# EAGLE board working (EAGLE 9.5.2), part 2 of 4 (continued)
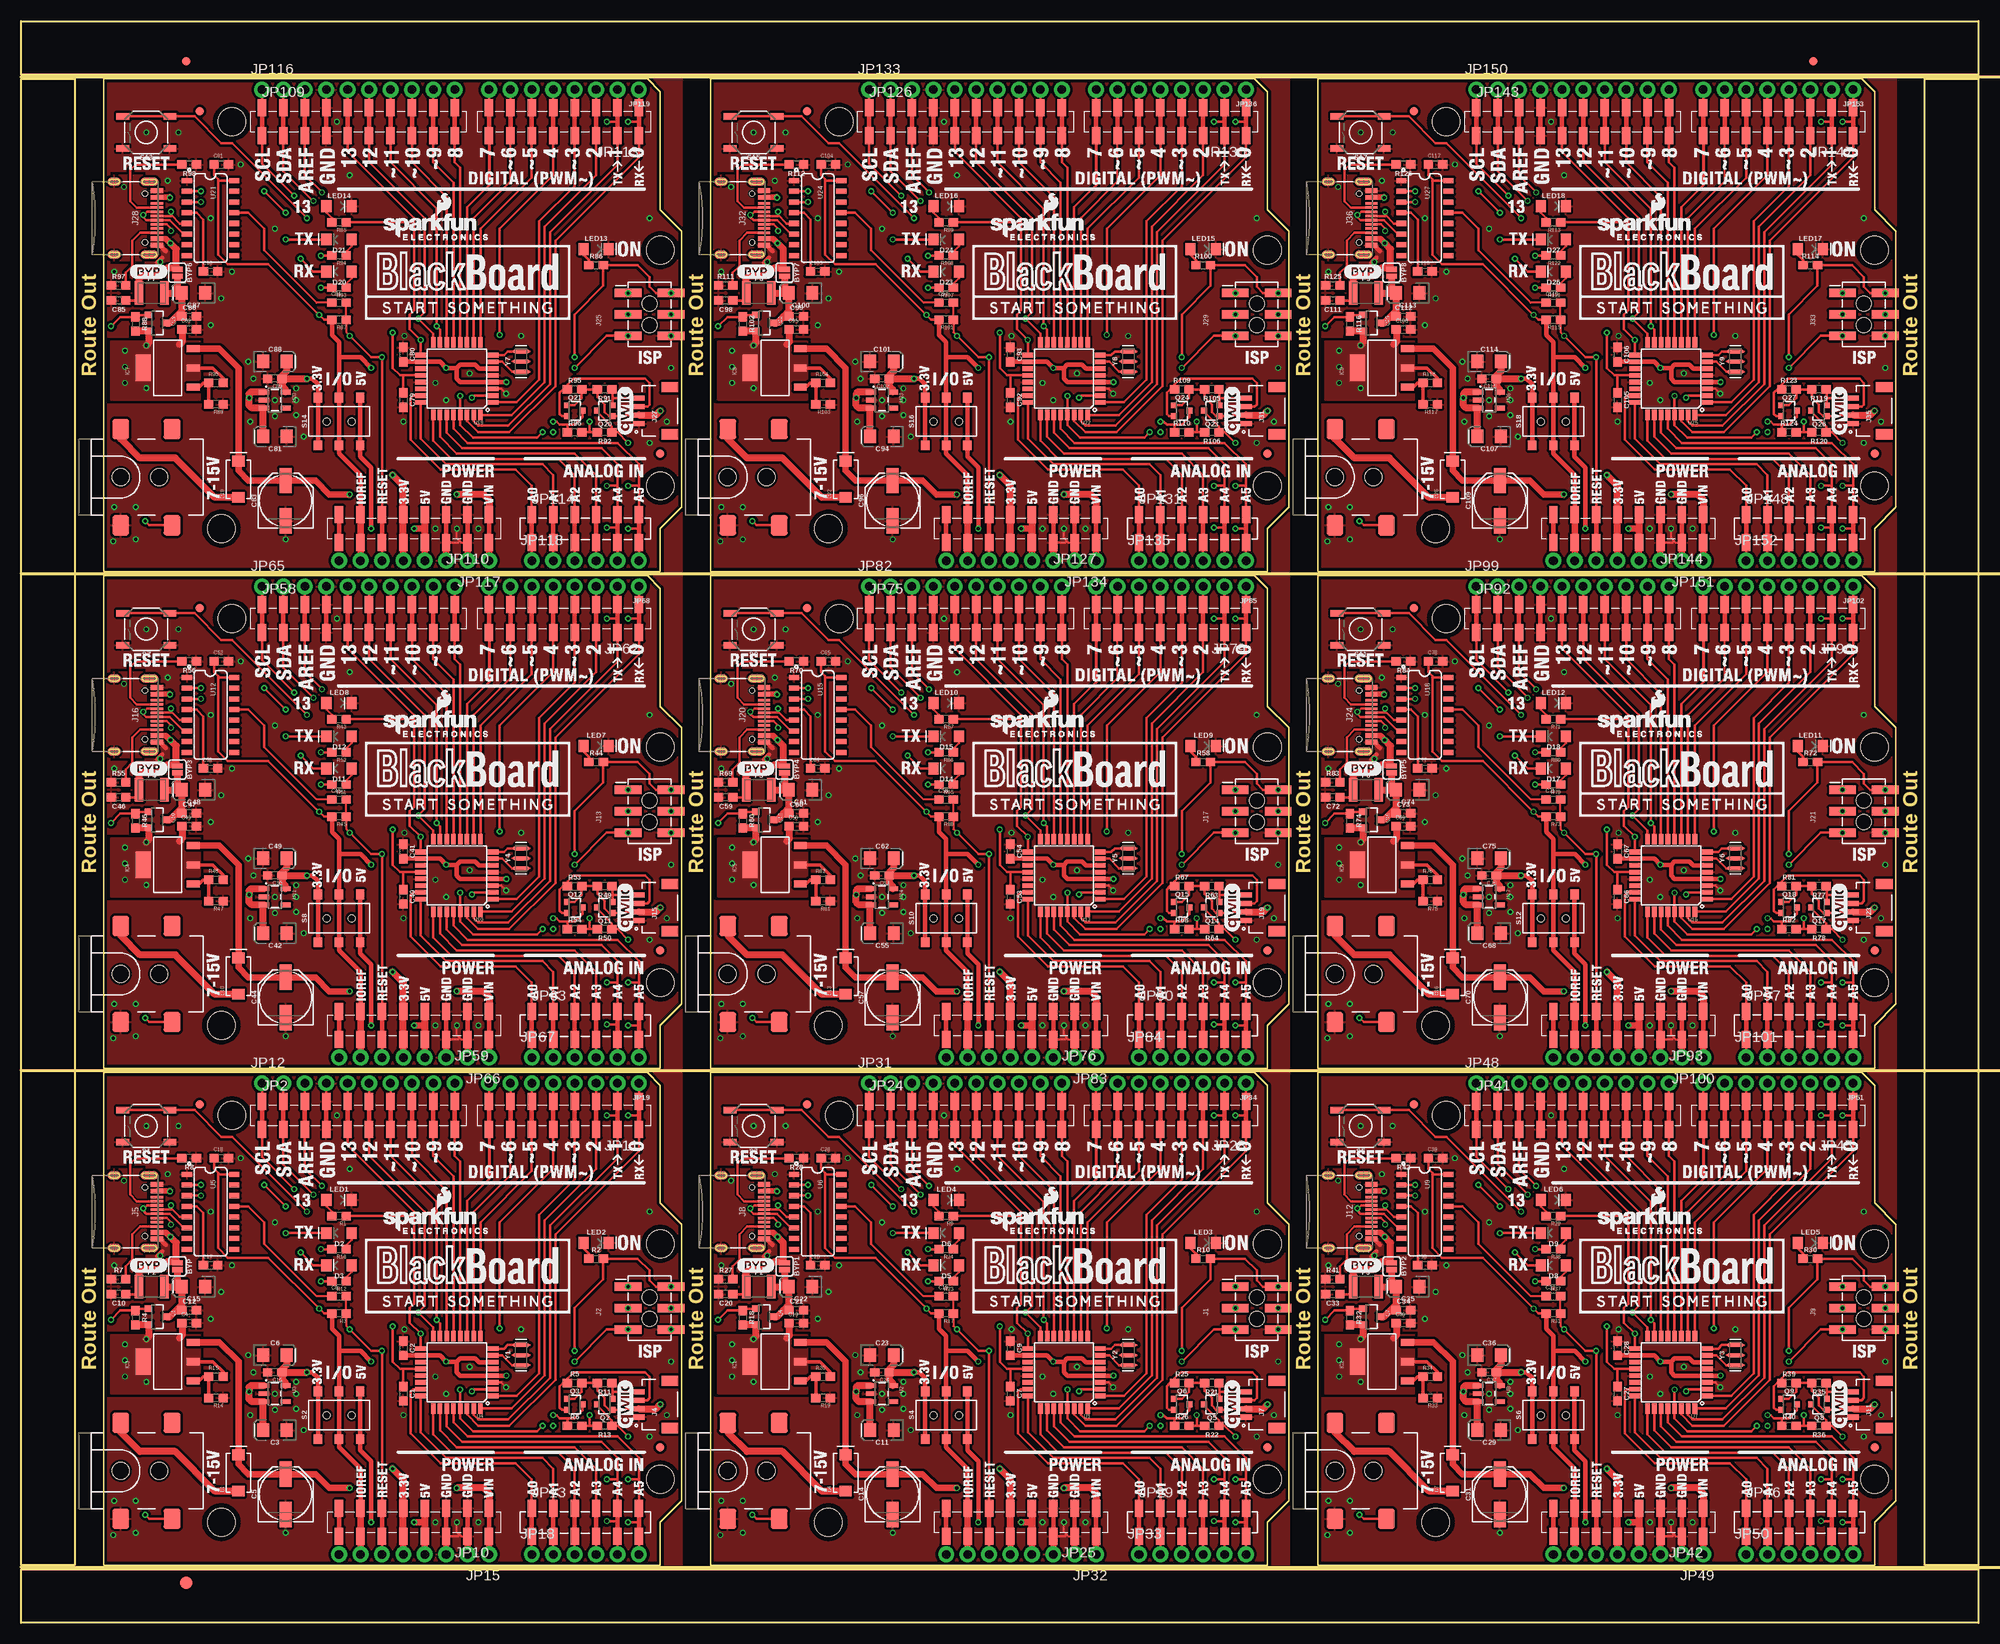
[diagram p0: board, top side]
## Tracks (layer width: path | path; a pad name or v marks a point on that pad's centre or on a via) (continued)
  Bottom 0.813: v33.91,147.57 33.91,142.49 40.26,136.14 v44.07,136.14 44.96,135.25 60.96,135.25 68.2,128.02 72.77,128.02 73.28,128.52 73.28,141.22 v75.82,143.76
3.3V7  (via drill 0.38)
  Top 0.254: JP127.5B JP127.5A
  Top 0.305: J31.2 143.77,143.26 143.62,143.11 Q23.1 141.75,143.11 141.22,143.64 141.22,144.53 140.37,145.38 R105.2 R109.2 138.52,145.25 137.68,144.41 Q24.1
  Top 0.508: 103.38,146.01 U23.5 | v105.92,147.57 106.55,147.57 107.23,146.9 S16.1 S16.4
  Top 0.762: JP127.5A JP134.5
  Top 0.813: JP127.5A 117.35,134.87 v116.08,136.14 | C101.+ 103.51,148.47 102.96,147.92 C102.1 | C102.1 v105.92,147.57 | C102.1 102.96,146.72 103.38,146.3 103.38,146.01 | J31.2 147.33,143.26 v147.83,143.76
  Bottom 0.813: v105.92,147.57 105.92,142.49 112.27,136.14 v116.08,136.14 116.97,135.25 132.97,135.25 140.21,128.02 144.78,128.02 145.29,128.52 145.29,141.22 v147.83,143.76
3.3V8  (via drill 0.38)
  Top 0.254: JP144.5B JP144.5A
  Top 0.305: J35.2 215.78,143.26 215.63,143.11 Q26.1 213.76,143.11 213.23,143.64 213.23,144.53 212.38,145.38 R119.2 R123.2 210.53,145.25 209.69,144.41 Q27.1
  Top 0.508: 175.39,146.01 U26.5 | v177.93,147.57 178.56,147.57 179.24,146.9 S18.1 S18.4
  Top 0.762: JP144.5A JP151.5
  Top 0.813: JP144.5A 189.36,134.87 v188.09,136.14 | C114.+ 175.52,148.47 174.97,147.92 C115.1 | C115.1 v177.93,147.57 | C115.1 174.97,146.72 175.39,146.3 175.39,146.01 | J35.2 219.34,143.26 v219.84,143.76
  Bottom 0.813: v177.93,147.57 177.93,142.49 184.28,136.14 v188.09,136.14 188.98,135.25 204.98,135.25 212.22,128.02 216.79,128.02 217.3,128.52 217.3,141.22 v219.84,143.76
5V  (via drill 0.38)
  Top 0.305: JP10.4A 47.88,11.43
  Top 0.406: IC3.2 22.73,30.99 23.96,29.76 R15.2
  Top 0.508: 28.7,26.13 U3.3 | v41.53,11.94 41.53,19.18 40.22,20.49 S2.6 S2.3
  Top 0.762: v46.61,11.94 47.62,11.94 47.88,12.19 | JP10.4B JP15.4
  Top 0.813: JP10.4A 47.88,12.19 47.88,11.43 JP10.4B | C3.+ 28.7,26.13 | v14.86,33.67 15.13,33.94 Q1.2 13.62,35.37 R4.2 | U3.3 27.37,26.23 27.05,26.54 v27.05,27.43 27.05,27.94 27.24,28.13 U3.1 | C4.1 19.09,34.07 18.8,33.78
  Bottom 0.762: v46.61,11.94 v41.53,11.94 40.64,11.94 28.45,24.13 28.45,26.04 v27.05,27.43
  Bottom 0.813: v27.05,27.43 21.46,27.43
  other vias: 12.32,31.13 14.86,28.59 12.32,29.22 12.32,33.03
  pour Bottom (isolate 0.305, no thermals): 10.67,39.37 20.57,39.37 20.57,29.72 22.48,27.81 22.48,27.18 10.67,27.18
  pour Top (isolate 0.305, no thermals): 10.67,27.18 10.67,34.16 21.21,34.16 21.21,27.18
5V1  (via drill 0.38)
  Top 0.305: JP25.4A 119.89,11.43
  Top 0.406: IC1.2 94.74,30.99 95.97,29.76 R20.2
  Top 0.508: 100.71,26.13 U2.3 | v113.54,11.94 113.54,19.18 112.23,20.49 S4.6 S4.3
  Top 0.762: v118.62,11.94 119.63,11.94 119.89,12.19 | JP25.4B JP32.4
  Top 0.813: JP25.4A 119.89,12.19 119.89,11.43 JP25.4B | C11.+ 100.71,26.13 | v86.87,33.67 87.14,33.94 Q4.2 85.62,35.37 R18.2 | U2.3 99.38,26.23 99.06,26.54 v99.06,27.43 99.06,27.94 99.25,28.13 U2.1 | C13.1 91.1,34.07 90.8,33.78
  Bottom 0.762: v118.62,11.94 v113.54,11.94 112.65,11.94 100.46,24.13 100.46,26.04 v99.06,27.43
  Bottom 0.813: v99.06,27.43 93.47,27.43
  other vias: 84.33,31.13 86.87,28.59 84.33,29.22 84.33,33.03
  pour Bottom (isolate 0.305, no thermals): 82.68,39.37 92.58,39.37 92.58,29.72 94.49,27.81 94.49,27.18 82.68,27.18
  pour Top (isolate 0.305, no thermals): 82.68,27.18 82.68,34.16 93.22,34.16 93.22,27.18
5V2  (via drill 0.38)
  Top 0.305: JP42.4A 191.9,11.43
  Top 0.406: IC2.2 166.75,30.99 167.98,29.76 R34.2
  Top 0.508: 172.72,26.13 U8.3 | v185.55,11.94 185.55,19.18 184.24,20.49 S6.6 S6.3
  Top 0.762: v190.63,11.94 191.64,11.94 191.9,12.19 | JP42.4B JP49.4
  Top 0.813: JP42.4A 191.9,12.19 191.9,11.43 JP42.4B | C29.+ 172.72,26.13 | v158.88,33.67 159.15,33.94 Q7.2 157.63,35.37 R32.2 | U8.3 171.38,26.23 171.07,26.54 v171.07,27.43 171.07,27.94 171.26,28.13 U8.1 | C30.1 163.11,34.07 162.81,33.78
  Bottom 0.762: v190.63,11.94 v185.55,11.94 184.66,11.94 172.47,24.13 172.47,26.04 v171.07,27.43
  Bottom 0.813: v171.07,27.43 165.48,27.43
  other vias: 156.34,31.13 158.88,28.59 156.34,29.22 156.34,33.03
  pour Bottom (isolate 0.305, no thermals): 154.69,39.37 164.59,39.37 164.59,29.72 166.5,27.81 166.5,27.18 154.69,27.18
  pour Top (isolate 0.305, no thermals): 154.69,27.18 154.69,34.16 165.23,34.16 165.23,27.18
5V3  (via drill 0.38)
  Top 0.305: JP59.4A 47.88,70.36
  Top 0.406: IC4.2 22.73,89.92 23.96,88.69 R48.2
  Top 0.508: 28.7,85.06 U11.3 | v41.53,70.87 41.53,78.11 40.22,79.42 S8.6 S8.3
  Top 0.762: v46.61,70.87 47.62,70.87 47.88,71.12 | JP59.4B JP66.4
  Top 0.813: JP59.4A 47.88,71.12 47.88,70.36 JP59.4B | C42.+ 28.7,85.06 | v14.86,92.59 15.13,92.87 Q10.2 13.62,94.3 R46.2 | U11.3 27.37,85.16 27.05,85.47 v27.05,86.36 27.05,86.87 27.24,87.06 U11.1 | C43.1 19.09,93 18.8,92.71
  Bottom 0.762: v46.61,70.87 v41.53,70.87 40.64,70.87 28.45,83.06 28.45,84.96 v27.05,86.36
  Bottom 0.813: v27.05,86.36 21.46,86.36
  other vias: 12.32,90.06 14.86,87.52 12.32,88.15 12.32,91.96
  pour Bottom (isolate 0.305, no thermals): 10.67,98.3 20.57,98.3 20.57,88.65 22.48,86.74 22.48,86.11 10.67,86.11
  pour Top (isolate 0.305, no thermals): 10.67,86.11 10.67,93.09 21.21,93.09 21.21,86.11
5V4  (via drill 0.38)
  Top 0.305: JP76.4A 119.89,70.36
  Top 0.406: IC5.2 94.74,89.92 95.97,88.69 R62.2
  Top 0.508: 100.71,85.06 U14.3 | v113.54,70.87 113.54,78.11 112.23,79.42 S10.6 S10.3
  Top 0.762: v118.62,70.87 119.63,70.87 119.89,71.12 | JP76.4B JP83.4
  Top 0.813: JP76.4A 119.89,71.12 119.89,70.36 JP76.4B | C55.+ 100.71,85.06 | v86.87,92.59 87.14,92.87 Q13.2 85.62,94.3 R60.2 | U14.3 99.38,85.16 99.06,85.47 v99.06,86.36 99.06,86.87 99.25,87.06 U14.1 | C56.1 91.1,93 90.8,92.71
  Bottom 0.762: v118.62,70.87 v113.54,70.87 112.65,70.87 100.46,83.06 100.46,84.96 v99.06,86.36
  Bottom 0.813: v99.06,86.36 93.47,86.36
  other vias: 84.33,90.06 86.87,87.52 84.33,88.15 84.33,91.96
  pour Bottom (isolate 0.305, no thermals): 82.68,98.3 92.58,98.3 92.58,88.65 94.49,86.74 94.49,86.11 82.68,86.11
  pour Top (isolate 0.305, no thermals): 82.68,86.11 82.68,93.09 93.22,93.09 93.22,86.11
5V5  (via drill 0.38)
  Top 0.305: JP93.4A 191.9,70.36
  Top 0.406: IC6.2 166.75,89.92 167.98,88.69 R76.2
  Top 0.508: 172.72,85.06 U17.3 | v185.55,70.87 185.55,78.11 184.24,79.42 S12.6 S12.3
  Top 0.762: v190.63,70.87 191.64,70.87 191.9,71.12 | JP93.4B JP100.4
  Top 0.813: JP93.4A 191.9,71.12 191.9,70.36 JP93.4B | C68.+ 172.72,85.06 | v158.88,92.59 159.15,92.87 Q16.2 157.63,94.3 R74.2 | U17.3 171.38,85.16 171.07,85.47 v171.07,86.36 171.07,86.87 171.26,87.06 U17.1 | C69.1 163.11,93 162.81,92.71
  Bottom 0.762: v190.63,70.87 v185.55,70.87 184.66,70.87 172.47,83.06 172.47,84.96 v171.07,86.36
  Bottom 0.813: v171.07,86.36 165.48,86.36
  other vias: 156.34,90.06 158.88,87.52 156.34,88.15 156.34,91.96
  pour Bottom (isolate 0.305, no thermals): 154.69,98.3 164.59,98.3 164.59,88.65 166.5,86.74 166.5,86.11 154.69,86.11
  pour Top (isolate 0.305, no thermals): 154.69,86.11 154.69,93.09 165.23,93.09 165.23,86.11
5V6  (via drill 0.38)
  Top 0.305: JP110.4A 47.88,129.29
  Top 0.406: IC7.2 22.73,148.84 23.96,147.61 R90.2
  Top 0.508: 28.7,143.98 U20.3 | v41.53,129.79 41.53,137.03 40.22,138.34 S14.6 S14.3
  Top 0.762: v46.61,129.79 47.62,129.79 47.88,130.05 | JP110.4B JP117.4
  Top 0.813: JP110.4A 47.88,130.05 47.88,129.29 JP110.4B | C81.+ 28.7,143.98 | v14.86,151.52 15.13,151.79 Q19.2 13.62,153.23 R88.2 | U20.3 27.37,144.08 27.05,144.4 v27.05,145.29 27.05,145.8 27.24,145.98 U20.1 | C82.1 19.09,151.93 18.8,151.64
  Bottom 0.762: v46.61,129.79 v41.53,129.79 40.64,129.79 28.45,141.99 28.45,143.89 v27.05,145.29
  Bottom 0.813: v27.05,145.29 21.46,145.29
  other vias: 12.32,148.98 14.86,146.44 12.32,147.08 12.32,150.89
  pour Bottom (isolate 0.305, no thermals): 10.67,157.23 20.57,157.23 20.57,147.57 22.48,145.67 22.48,145.03 10.67,145.03
  pour Top (isolate 0.305, no thermals): 10.67,145.03 10.67,152.02 21.21,152.02 21.21,145.03
5V7  (via drill 0.38)
  Top 0.305: JP127.4A 119.89,129.29
  Top 0.406: IC8.2 94.74,148.84 95.97,147.61 R104.2
  Top 0.508: 100.71,143.98 U23.3 | v113.54,129.79 113.54,137.03 112.23,138.34 S16.6 S16.3
  Top 0.762: v118.62,129.79 119.63,129.79 119.89,130.05 | JP127.4B JP134.4
  Top 0.813: JP127.4A 119.89,130.05 119.89,129.29 JP127.4B | C94.+ 100.71,143.98 | v86.87,151.52 87.14,151.79 Q22.2 85.62,153.23 R102.2 | U23.3 99.38,144.08 99.06,144.4 v99.06,145.29 99.06,145.8 99.25,145.98 U23.1 | C95.1 91.1,151.93 90.8,151.64
  Bottom 0.762: v118.62,129.79 v113.54,129.79 112.65,129.79 100.46,141.99 100.46,143.89 v99.06,145.29
  Bottom 0.813: v99.06,145.29 93.47,145.29
  other vias: 84.33,148.98 86.87,146.44 84.33,147.08 84.33,150.89
  pour Bottom (isolate 0.305, no thermals): 82.68,157.23 92.58,157.23 92.58,147.57 94.49,145.67 94.49,145.03 82.68,145.03
  pour Top (isolate 0.305, no thermals): 82.68,145.03 82.68,152.02 93.22,152.02 93.22,145.03
5V8  (via drill 0.38)
  Top 0.305: JP144.4A 191.9,129.29
  Top 0.406: IC9.2 166.75,148.84 167.98,147.61 R118.2
  Top 0.508: 172.72,143.98 U26.3 | v185.55,129.79 185.55,137.03 184.24,138.34 S18.6 S18.3
  Top 0.762: v190.63,129.79 191.64,129.79 191.9,130.05 | JP144.4B JP151.4
  Top 0.813: JP144.4A 191.9,130.05 191.9,129.29 JP144.4B | C107.+ 172.72,143.98 | v158.88,151.52 159.15,151.79 Q25.2 157.63,153.23 R116.2 | U26.3 171.38,144.08 171.07,144.4 v171.07,145.29 171.07,145.8 171.26,145.98 U26.1 | C108.1 163.11,151.93 162.81,151.64
  Bottom 0.762: v190.63,129.79 v185.55,129.79 184.66,129.79 172.47,141.99 172.47,143.89 v171.07,145.29
  Bottom 0.813: v171.07,145.29 165.48,145.29
  other vias: 156.34,148.98 158.88,146.44 156.34,147.08 156.34,150.89
  pour Bottom (isolate 0.305, no thermals): 154.69,157.23 164.59,157.23 164.59,147.57 166.5,145.67 166.5,145.03 154.69,145.03
  pour Top (isolate 0.305, no thermals): 154.69,145.03 154.69,152.02 165.23,152.02 165.23,145.03
!DTR
  Top 0.254: 28.83,44.96 35.05,38.73 C8.1
  Top 0.305: U5.13 26.92,49.4 28.83,47.5 28.83,44.96
!DTR1
  Top 0.254: 100.84,44.96 107.06,38.73 C19.1
  Top 0.305: U6.13 98.93,49.4 100.84,47.5 100.84,44.96
!DTR2
  Top 0.254: 172.85,44.96 179.07,38.73 C32.1
  Top 0.305: U9.13 170.94,49.4 172.85,47.5 172.85,44.96
!DTR3
  Top 0.254: 28.83,103.89 35.05,97.66 C45.1
  Top 0.305: U12.13 26.92,108.33 28.83,106.43 28.83,103.89
!DTR4
  Top 0.254: 100.84,103.89 107.06,97.66 C58.1
  Top 0.305: U15.13 98.93,108.33 100.84,106.43 100.84,103.89
!DTR5
  Top 0.254: 172.85,103.89 179.07,97.66 C71.1
  Top 0.305: U18.13 170.94,108.33 172.85,106.43 172.85,103.89
!DTR6
  Top 0.254: 28.83,162.81 35.05,156.59 C84.1
  Top 0.305: U21.13 26.92,167.26 28.83,165.35 28.83,162.81
!DTR7
  Top 0.254: 100.84,162.81 107.06,156.59 C97.1
  Top 0.305: U24.13 98.93,167.26 100.84,165.35 100.84,162.81
!DTR8
  Top 0.254: 172.85,162.81 179.07,156.59 C110.1
  Top 0.305: U27.13 170.94,167.26 172.85,165.35 172.85,162.81
!RESET  (via drill 0.38, 0.38 pad 0.51)
  Top 0.254: C8.2 R3.1 38.57,35.22 v38.99,34.8
  Top 0.305: v52.09,27.67 U4.29 52.09,24.24 53.59,22.73 61.21,22.73 v61.85,23.37 | v38.99,34.8 41.53,32.26 v42.8,32.26 JP10.6A JP10.6B JP15.6 | v33.91,48.77 25.02,57.66 23.75,57.66 20.57,60.83 S1.3 S1.4 | v65.66,30.99 69.47,34.8 J2.5
  Bottom 0.305: v52.09,27.67 52.09,30.59 50.42,32.26 v42.8,32.26 | v38.99,34.8 38.99,43.69 v33.91,48.77 | v61.85,23.37 61.85,27.18 v65.66,30.99 | TP6.P$1 J2.5
  other vias: 72.01,34.8
!RESET1  (via drill 0.38, 0.38 pad 0.51)
  Top 0.254: C19.2 R17.1 110.58,35.22 v111,34.8
  Top 0.305: v124.1,27.67 U1.29 124.1,24.24 125.6,22.73 133.22,22.73 v133.86,23.37 | v111,34.8 113.54,32.26 v114.81,32.26 JP25.6A JP25.6B JP32.6 | v105.92,48.77 97.03,57.66 95.76,57.66 92.58,60.83 S3.3 S3.4 | v137.67,30.99 141.48,34.8 J1.5
  Bottom 0.305: v124.1,27.67 124.1,30.59 122.43,32.26 v114.81,32.26 | v111,34.8 111,43.69 v105.92,48.77 | v133.86,23.37 133.86,27.18 v137.67,30.99 | TP12.P$1 J1.5
  other vias: 144.02,34.8
!RESET2  (via drill 0.38, 0.38 pad 0.51)
  Top 0.254: C32.2 R31.1 182.59,35.22 v183.01,34.8
  Top 0.305: v196.11,27.67 U7.29 196.11,24.24 197.61,22.73 205.23,22.73 v205.87,23.37 | v183.01,34.8 185.55,32.26 v186.82,32.26 JP42.6A JP42.6B JP49.6 | v177.93,48.77 169.04,57.66 167.77,57.66 164.59,60.83 S5.3 S5.4 | v209.68,30.99 213.49,34.8 J9.5
  Bottom 0.305: v196.11,27.67 196.11,30.59 194.44,32.26 v186.82,32.26 | v183.01,34.8 183.01,43.69 v177.93,48.77 | v205.87,23.37 205.87,27.18 v209.68,30.99 | TP18.P$1 J9.5
  other vias: 216.03,34.8
!RESET3  (via drill 0.38, 0.38 pad 0.51)
  Top 0.254: C45.2 R45.1 38.57,94.15 v38.99,93.73
  Top 0.305: v52.09,86.59 U10.29 52.09,83.17 53.59,81.66 61.21,81.66 v61.85,82.3 | v38.99,93.73 41.53,91.19 v42.8,91.19 JP59.6A JP59.6B JP66.6 | v33.91,107.7 25.02,116.59 23.75,116.59 20.57,119.76 S7.3 S7.4 | v65.66,89.92 69.47,93.73 J13.5
  Bottom 0.305: v52.09,86.59 52.09,89.52 50.42,91.19 v42.8,91.19 | v38.99,93.73 38.99,102.62 v33.91,107.7 | v61.85,82.3 61.85,86.11 v65.66,89.92 | TP24.P$1 J13.5
  other vias: 72.01,93.73
!RESET4  (via drill 0.38, 0.38 pad 0.51)
  Top 0.254: C58.2 R59.1 110.58,94.15 v111,93.73
  Top 0.305: v124.1,86.59 U13.29 124.1,83.17 125.6,81.66 133.22,81.66 v133.86,82.3 | v111,93.73 113.54,91.19 v114.81,91.19 JP76.6A JP76.6B JP83.6 | v105.92,107.7 97.03,116.59 95.76,116.59 92.58,119.76 S9.3 S9.4 | v137.67,89.92 141.48,93.73 J17.5
  Bottom 0.305: v124.1,86.59 124.1,89.52 122.43,91.19 v114.81,91.19 | v111,93.73 111,102.62 v105.92,107.7 | v133.86,82.3 133.86,86.11 v137.67,89.92 | TP30.P$1 J17.5
  other vias: 144.02,93.73
!RESET5  (via drill 0.38, 0.38 pad 0.51)
  Top 0.254: C71.2 R73.1 182.59,94.15 v183.01,93.73
  Top 0.305: v196.11,86.59 U16.29 196.11,83.17 197.61,81.66 205.23,81.66 v205.87,82.3 | v183.01,93.73 185.55,91.19 v186.82,91.19 JP93.6A JP93.6B JP100.6 | v177.93,107.7 169.04,116.59 167.77,116.59 164.59,119.76 S11.3 S11.4 | v209.68,89.92 213.49,93.73 J21.5
  Bottom 0.305: v196.11,86.59 196.11,89.52 194.44,91.19 v186.82,91.19 | v183.01,93.73 183.01,102.62 v177.93,107.7 | v205.87,82.3 205.87,86.11 v209.68,89.92 | TP36.P$1 J21.5
  other vias: 216.03,93.73
!RESET6  (via drill 0.38, 0.38 pad 0.51)
  Top 0.254: C84.2 R87.1 38.57,153.07 v38.99,152.65
  Top 0.305: v52.09,145.52 U19.29 52.09,142.09 53.59,140.59 61.21,140.59 v61.85,141.22 | v38.99,152.65 41.53,150.11 v42.8,150.11 JP110.6A JP110.6B JP117.6 | v33.91,166.62 25.02,175.51 23.75,175.51 20.57,178.69 S13.3 S13.4 | v65.66,148.84 69.47,152.65 J25.5
  Bottom 0.305: v52.09,145.52 52.09,148.44 50.42,150.11 v42.8,150.11 | v38.99,152.65 38.99,161.54 v33.91,166.62 | v61.85,141.22 61.85,145.03 v65.66,148.84 | TP42.P$1 J25.5
  other vias: 72.01,152.65
!RESET7  (via drill 0.38, 0.38 pad 0.51)
  Top 0.254: C97.2 R101.1 110.58,153.07 v111,152.65
  Top 0.305: v124.1,145.52 U22.29 124.1,142.09 125.6,140.59 133.22,140.59 v133.86,141.22 | v111,152.65 113.54,150.11 v114.81,150.11 JP127.6A JP127.6B JP134.6 | v105.92,166.62 97.03,175.51 95.76,175.51 92.58,178.69 S15.3 S15.4 | v137.67,148.84 141.48,152.65 J29.5
  Bottom 0.305: v124.1,145.52 124.1,148.44 122.43,150.11 v114.81,150.11 | v111,152.65 111,161.54 v105.92,166.62 | v133.86,141.22 133.86,145.03 v137.67,148.84 | TP48.P$1 J29.5
  other vias: 144.02,152.65
!RESET8  (via drill 0.38, 0.38 pad 0.51)
  Top 0.254: C110.2 R115.1 182.59,153.07 v183.01,152.65
  Top 0.305: v196.11,145.52 U25.29 196.11,142.09 197.61,140.59 205.23,140.59 v205.87,141.22 | v183.01,152.65 185.55,150.11 v186.82,150.11 JP144.6A JP144.6B JP151.6 | v177.93,166.62 169.04,175.51 167.77,175.51 164.59,178.69 S17.3 S17.4 | v209.68,148.84 213.49,152.65 J33.5
  Bottom 0.305: v196.11,145.52 196.11,148.44 194.44,150.11 v186.82,150.11 | v183.01,152.65 183.01,161.54 v177.93,166.62 | v205.87,141.22 205.87,145.03 v209.68,148.84 | TP54.P$1 J33.5
  other vias: 216.03,152.65
A0
  Top 0.254: JP13.1B JP13.1A
  Top 0.305: U4.23 46.51,27.72 46.23,27.43 46.23,22.48 49.78,18.92 58.67,18.92 60.58,17.02 JP13.1A JP18.1
A1
  Top 0.254: JP13.2A JP13.2B
  Top 0.305: U4.24 47.4,22.58 50.42,19.56 61.85,19.56 63.12,18.29 JP13.2A | JP13.2B JP18.2
A2
  Top 0.254: JP13.3B 65.66,10.67
  Top 0.305: U4.25 48.89,22.36 51.05,20.19 63.75,20.19 65.66,18.29 65.66,10.67 JP13.3A JP18.3
A3
  Top 0.254: JP13.4A JP13.4B
  Top 0.305: U4.26 49.69,22.83 51.69,20.83 65.66,20.83 68.2,18.29 JP13.4A | JP13.4B JP18.4
A4
  Top 0.254: JP29.1B JP29.1A
  Top 0.305: U1.23 118.52,27.72 118.24,27.43 118.24,22.48 121.79,18.92 130.68,18.92 132.59,17.02 JP29.1A JP33.1
A4/SDA  (via drill 0.38)
  Top 0.254: JP13.5B 70.74,12.06 | JP2.2A JP2.2B
  Top 0.305: U4.27 50.49,23.3 52.32,21.46 68.83,21.46 70.74,19.56 70.74,17.02 | 70.74,17.02 70.74,12.06 | 70.74,12.06 JP13.5A JP18.5 | JP2.2B 31.11,54.36 v34.67,50.8 | v69.47,12.06 70.74,12.06 | v69.47,17.02 70.74,17.02 | JP12.2 JP2.2A
  Bottom 0.305: 63.12,19.05 48.51,19.05 40.51,27.05 40.51,44.96 v34.67,50.8 | v69.47,12.06 63.12,18.41 63.12,19.05 | v63.12,23.37 63.12,19.05 | QW2.1 67.44,17.78 68.2,17.02 v69.47,17.02
A4/SDA1  (via drill 0.38)
  Top 0.254: JP29.5B 142.75,12.06 | JP24.2A JP24.2B
  Top 0.305: U1.27 122.5,23.3 124.33,21.46 140.84,21.46 142.75,19.56 142.75,17.02 | 142.75,17.02 142.75,12.06 | 142.75,12.06 JP29.5A JP33.5 | JP24.2B 103.12,54.36 v106.68,50.8 | v141.48,12.06 142.75,12.06 | v141.48,17.02 142.75,17.02 | JP31.2 JP24.2A
  Bottom 0.305: 135.13,19.05 120.52,19.05 112.52,27.05 112.52,44.96 v106.68,50.8 | v141.48,12.06 135.13,18.41 135.13,19.05 | v135.13,23.37 135.13,19.05 | QW3.1 139.45,17.78 140.21,17.02 v141.48,17.02
A4/SDA2  (via drill 0.38)
  Top 0.254: JP46.5B 214.76,12.06 | JP41.2A JP41.2B
  Top 0.305: U7.27 194.51,23.3 196.34,21.46 212.85,21.46 214.76,19.56 214.76,17.02 | 214.76,17.02 214.76,12.06 | 214.76,12.06 JP46.5A JP50.5 | JP41.2B 175.13,54.36 v178.69,50.8 | v213.49,12.06 214.76,12.06 | v213.49,17.02 214.76,17.02 | JP48.2 JP41.2A
  Bottom 0.305: 207.14,19.05 192.53,19.05 184.53,27.05 184.53,44.96 v178.69,50.8 | v213.49,12.06 207.14,18.41 207.14,19.05 | v207.14,23.37 207.14,19.05 | QW5.1 211.45,17.78 212.22,17.02 v213.49,17.02
A4/SDA3  (via drill 0.38)
  Top 0.254: JP63.5B 70.74,70.99 | JP58.2A JP58.2B
  Top 0.305: U10.27 50.49,82.23 52.32,80.39 68.83,80.39 70.74,78.49 70.74,75.95 | 70.74,75.95 70.74,70.99 | 70.74,70.99 JP63.5A JP67.5 | JP58.2B 31.11,113.28 v34.67,109.73 | v69.47,70.99 70.74,70.99 | v69.47,75.95 70.74,75.95 | JP65.2 JP58.2A
  Bottom 0.305: 63.12,77.98 48.51,77.98 40.51,85.98 40.51,103.89 v34.67,109.73 | v69.47,70.99 63.12,77.34 63.12,77.98 | v63.12,82.3 63.12,77.98 | QW7.1 67.44,76.71 68.2,75.95 v69.47,75.95
A4/SDA4  (via drill 0.38)
  Top 0.254: JP80.5B 142.75,70.99 | JP75.2A JP75.2B
  Top 0.305: U13.27 122.5,82.23 124.33,80.39 140.84,80.39 142.75,78.49 142.75,75.95 | 142.75,75.95 142.75,70.99 | 142.75,70.99 JP80.5A JP84.5 | JP75.2B 103.12,113.28 v106.68,109.73 | v141.48,70.99 142.75,70.99 | v141.48,75.95 142.75,75.95 | JP82.2 JP75.2A
  Bottom 0.305: 135.13,77.98 120.52,77.98 112.52,85.98 112.52,103.89 v106.68,109.73 | v141.48,70.99 135.13,77.34 135.13,77.98 | v135.13,82.3 135.13,77.98 | QW9.1 139.45,76.71 140.21,75.95 v141.48,75.95
A4/SDA5  (via drill 0.38)
  Top 0.254: JP97.5B 214.76,70.99 | JP92.2A JP92.2B
  Top 0.305: U16.27 194.51,82.23 196.34,80.39 212.85,80.39 214.76,78.49 214.76,75.95 | 214.76,75.95 214.76,70.99 | 214.76,70.99 JP97.5A JP101.5 | JP92.2B 175.13,113.28 v178.69,109.73 | v213.49,70.99 214.76,70.99 | v213.49,75.95 214.76,75.95 | JP99.2 JP92.2A
  Bottom 0.305: 207.14,77.98 192.53,77.98 184.53,85.98 184.53,103.89 v178.69,109.73 | v213.49,70.99 207.14,77.34 207.14,77.98 | v207.14,82.3 207.14,77.98 | QW11.1 211.45,76.71 212.22,75.95 v213.49,75.95
A4/SDA6  (via drill 0.38)
  Top 0.254: JP114.5B 70.74,129.92 | JP109.2A JP109.2B
  Top 0.305: U19.27 50.49,141.15 52.32,139.32 68.83,139.32 70.74,137.41 70.74,134.87 | 70.74,134.87 70.74,129.92 | 70.74,129.92 JP114.5A JP118.5 | JP109.2B 31.11,172.21 v34.67,168.66 | v69.47,129.92 70.74,129.92 | v69.47,134.87 70.74,134.87 | JP116.2 JP109.2A
  Bottom 0.305: 63.12,136.91 48.51,136.91 40.51,144.91 40.51,162.81 v34.67,168.66 | v69.47,129.92 63.12,136.27 63.12,136.91 | v63.12,141.22 63.12,136.91 | QW13.1 67.44,135.64 68.2,134.87 v69.47,134.87
A4/SDA7  (via drill 0.38)
  Top 0.254: JP131.5B 142.75,129.92 | JP126.2A JP126.2B
  Top 0.305: U22.27 122.5,141.15 124.33,139.32 140.84,139.32 142.75,137.41 142.75,134.87 | 142.75,134.87 142.75,129.92 | 142.75,129.92 JP131.5A JP135.5 | JP126.2B 103.12,172.21 v106.68,168.66 | v141.48,129.92 142.75,129.92 | v141.48,134.87 142.75,134.87 | JP133.2 JP126.2A
  Bottom 0.305: 135.13,136.91 120.52,136.91 112.52,144.91 112.52,162.81 v106.68,168.66 | v141.48,129.92 135.13,136.27 135.13,136.91 | v135.13,141.22 135.13,136.91 | QW15.1 139.45,135.64 140.21,134.87 v141.48,134.87
A4/SDA8  (via drill 0.38)
  Top 0.254: JP148.5B 214.76,129.92 | JP143.2A JP143.2B
  Top 0.305: U25.27 194.51,141.15 196.34,139.32 212.85,139.32 214.76,137.41 214.76,134.87 | 214.76,134.87 214.76,129.92 | 214.76,129.92 JP148.5A JP152.5 | JP143.2B 175.13,172.21 v178.69,168.66 | v213.49,129.92 214.76,129.92 | v213.49,134.87 214.76,134.87 | JP150.2 JP143.2A
  Bottom 0.305: 207.14,136.91 192.53,136.91 184.53,144.91 184.53,162.81 v178.69,168.66 | v213.49,129.92 207.14,136.27 207.14,136.91 | v207.14,141.22 207.14,136.91 | QW17.1 211.45,135.64 212.22,134.87 v213.49,134.87
A5
  Top 0.254: JP29.2A JP29.2B
  Top 0.305: U1.24 119.41,22.58 122.43,19.56 133.86,19.56 135.13,18.29 JP29.2A | JP29.2B JP33.2
A5/SCL  (via drill 0.38)
  Top 0.254: 73.28,11.94 JP13.6B | JP2.1A 28.57,61.47 JP2.1B
  Top 0.305: U4.28 51.29,23.77 52.96,22.1 70.74,22.1 73.28,19.56 73.28,17.02 | 73.28,17.02 JP13.6A 73.28,11.94 v72.01,11.94 | JP2.1B 28.57,55.24 v32.39,51.43 | v72.01,17.02 73.28,17.02 | JP12.1 28.57,61.47 | JP13.6B JP18.6
  Bottom 0.305: v32.39,51.43 39.88,43.94 39.88,26.54 48.13,18.29 61.72,18.29 68.96,11.05 71.12,11.05 v72.01,11.94 | QW1.1 71.25,17.78 v72.01,17.02
A5/SCL1  (via drill 0.38)
  Top 0.254: 145.29,11.94 JP29.6B | JP24.1A 100.58,61.47 JP24.1B
  Top 0.305: U1.28 123.3,23.77 124.97,22.1 142.75,22.1 145.29,19.56 145.29,17.02 | 145.29,17.02 JP29.6A 145.29,11.94 v144.02,11.94 | JP24.1B 100.58,55.24 v104.39,51.43 | v144.02,17.02 145.29,17.02 | JP31.1 100.58,61.47 | JP29.6B JP33.6
  Bottom 0.305: v104.39,51.43 111.89,43.94 111.89,26.54 120.14,18.29 133.73,18.29 140.97,11.05 143.13,11.05 v144.02,11.94 | QW4.1 143.26,17.78 v144.02,17.02
A5/SCL2  (via drill 0.38)
  Top 0.254: 217.3,11.94 JP46.6B | JP41.1A 172.59,61.47 JP41.1B
  Top 0.305: U7.28 195.31,23.77 196.98,22.1 214.76,22.1 217.3,19.56 217.3,17.02 | 217.3,17.02 JP46.6A 217.3,11.94 v216.03,11.94 | JP41.1B 172.59,55.24 v176.4,51.43 | v216.03,17.02 217.3,17.02 | JP48.1 172.59,61.47 | JP46.6B JP50.6
  Bottom 0.305: v176.4,51.43 183.9,43.94 183.9,26.54 192.15,18.29 205.74,18.29 212.98,11.05 215.14,11.05 v216.03,11.94 | QW6.1 215.26,17.78 v216.03,17.02
A5/SCL3  (via drill 0.38)
  Top 0.254: 73.28,70.87 JP63.6B | JP58.1A 28.57,120.4 JP58.1B
  Top 0.305: U10.28 51.29,82.7 52.96,81.03 70.74,81.03 73.28,78.49 73.28,75.95 | 73.28,75.95 JP63.6A 73.28,70.87 v72.01,70.87 | JP58.1B 28.57,114.17 v32.39,110.36 | v72.01,75.95 73.28,75.95 | JP65.1 28.57,120.4 | JP63.6B JP67.6
  Bottom 0.305: v32.39,110.36 39.88,102.87 39.88,85.47 48.13,77.22 61.72,77.22 68.96,69.98 71.12,69.98 v72.01,70.87 | QW8.1 71.25,76.71 v72.01,75.95
A5/SCL4  (via drill 0.38)
  Top 0.254: 145.29,70.87 JP80.6B | JP75.1A 100.58,120.4 JP75.1B
  Top 0.305: U13.28 123.3,82.7 124.97,81.03 142.75,81.03 145.29,78.49 145.29,75.95 | 145.29,75.95 JP80.6A 145.29,70.87 v144.02,70.87 | JP75.1B 100.58,114.17 v104.39,110.36 | v144.02,75.95 145.29,75.95 | JP82.1 100.58,120.4 | JP80.6B JP84.6
  Bottom 0.305: v104.39,110.36 111.89,102.87 111.89,85.47 120.14,77.22 133.73,77.22 140.97,69.98 143.13,69.98 v144.02,70.87 | QW10.1 143.26,76.71 v144.02,75.95
A5/SCL5  (via drill 0.38)
  Top 0.254: 217.3,70.87 JP97.6B | JP92.1A 172.59,120.4 JP92.1B
  Top 0.305: U16.28 195.31,82.7 196.98,81.03 214.76,81.03 217.3,78.49 217.3,75.95 | 217.3,75.95 JP97.6A 217.3,70.87 v216.03,70.87 | JP92.1B 172.59,114.17 v176.4,110.36 | v216.03,75.95 217.3,75.95 | JP99.1 172.59,120.4 | JP97.6B JP101.6
  Bottom 0.305: v176.4,110.36 183.9,102.87 183.9,85.47 192.15,77.22 205.74,77.22 212.98,69.98 215.14,69.98 v216.03,70.87 | QW12.1 215.26,76.71 v216.03,75.95
A5/SCL6  (via drill 0.38)
  Top 0.254: 73.28,129.79 JP114.6B | JP109.1A 28.57,179.32 JP109.1B
  Top 0.305: U19.28 51.29,141.62 52.96,139.95 70.74,139.95 73.28,137.41 73.28,134.87 | 73.28,134.87 JP114.6A 73.28,129.79 v72.01,129.79 | JP109.1B 28.57,173.1 v32.39,169.29 | v72.01,134.87 73.28,134.87 | JP116.1 28.57,179.32 | JP114.6B JP118.6
  Bottom 0.305: v32.39,169.29 39.88,161.8 39.88,144.4 48.13,136.14 61.72,136.14 68.96,128.91 71.12,128.91 v72.01,129.79 | QW14.1 71.25,135.64 v72.01,134.87
A5/SCL7  (via drill 0.38)
  Top 0.254: 145.29,129.79 JP131.6B | JP126.1A 100.58,179.32 JP126.1B